# KiCad board HermEIS.kicad_pcb (continued)
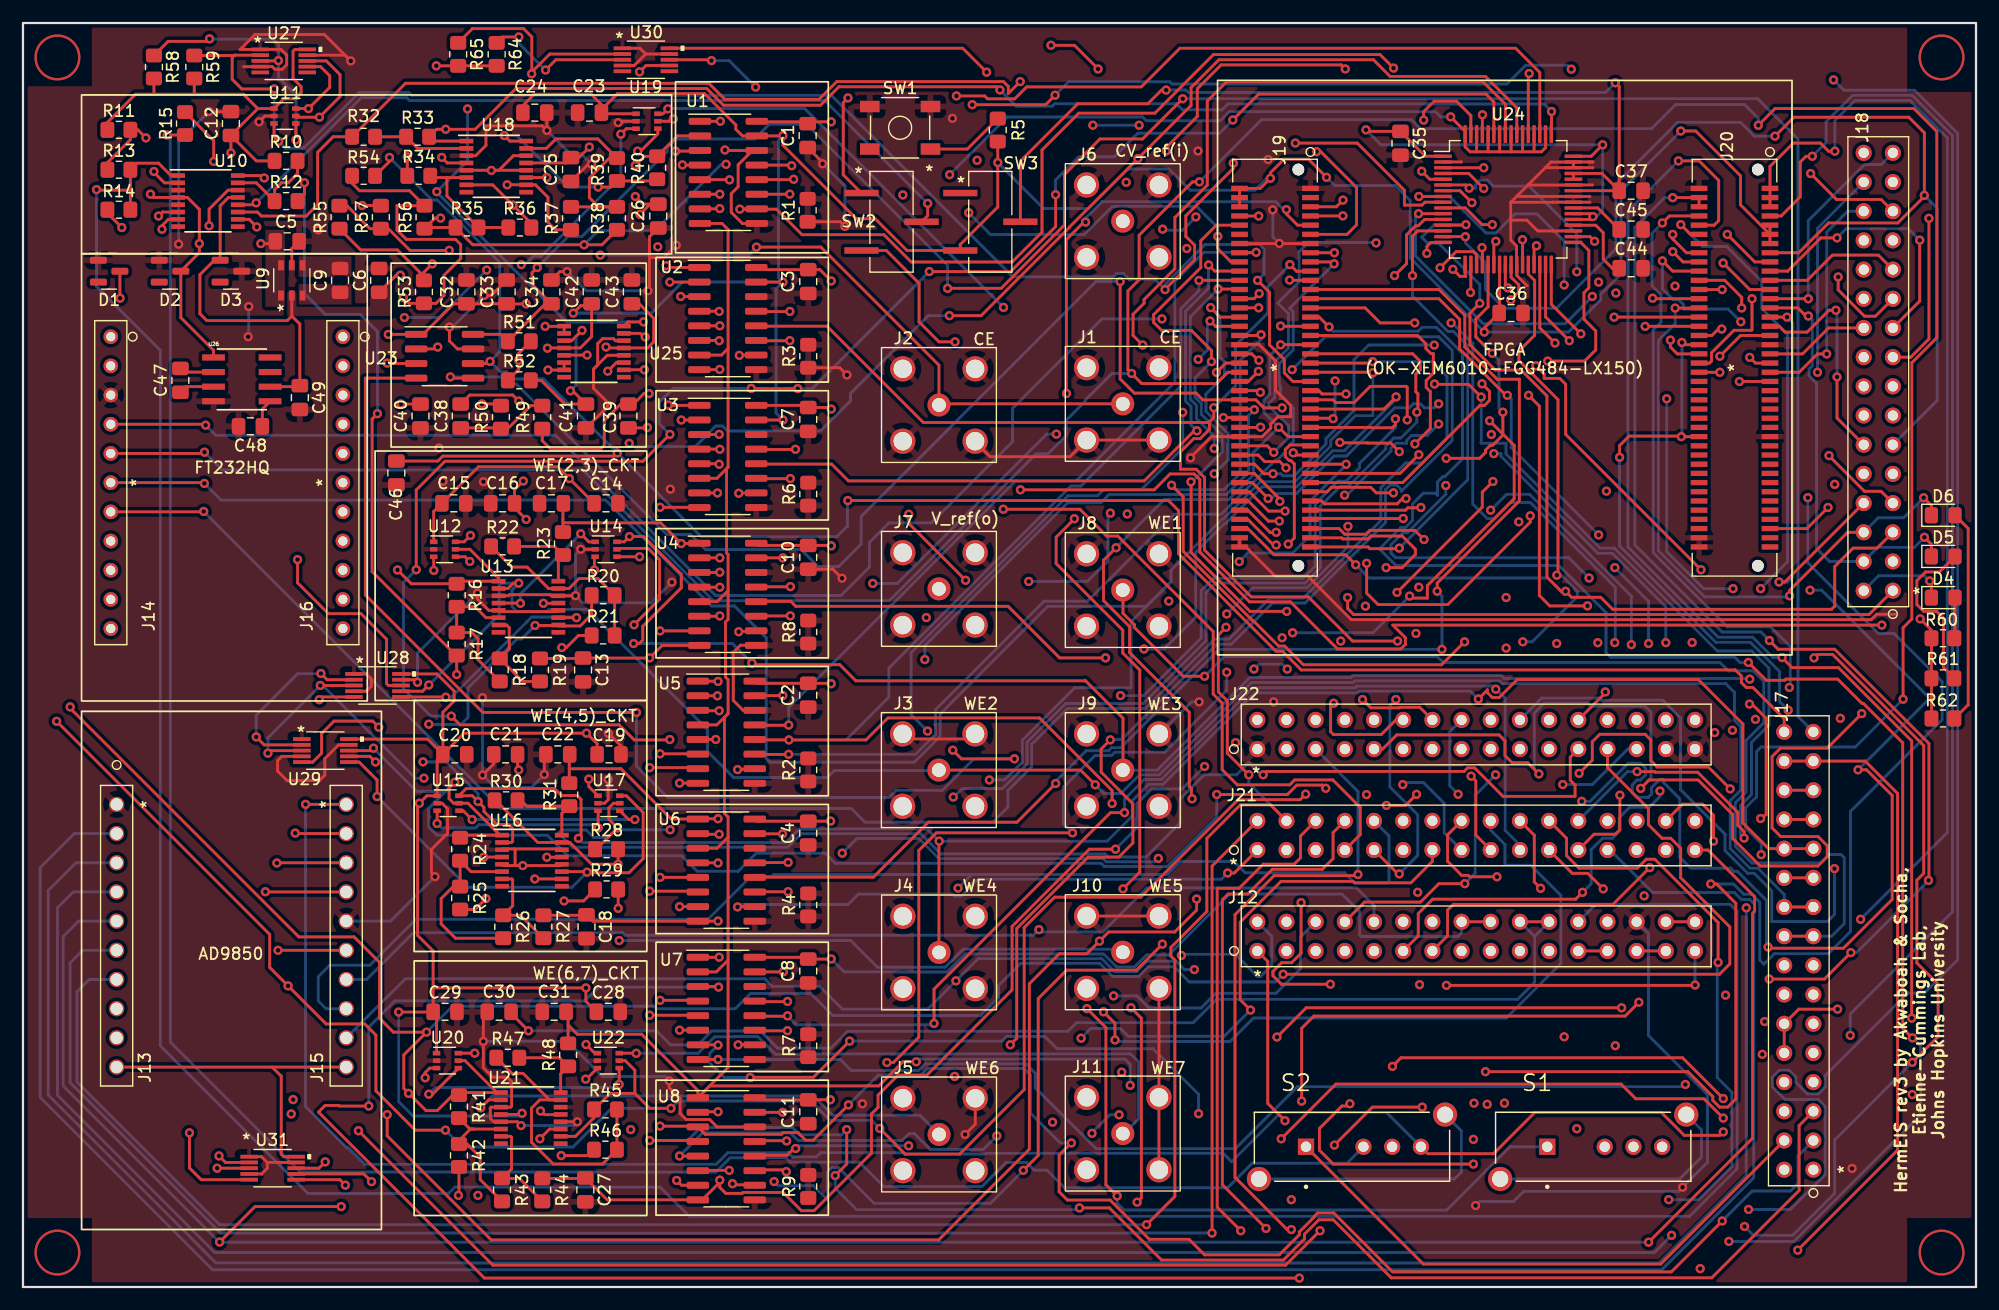
[diagram p0: board, top side]
## Nets
+3.3V: C5.1 C12.1 C14.1 C15.1 C19.1 C20.1 C23.1 C24.1 C28.1 C29.1 C36.1 C42.1 D2.3 J12.B15 J12.B16 J13.10 J15.10 J19.2 J19.4 J19.6 J20.9 J20.11 J20.13 R5.1 R10.1 R11.1 R58.2 R59.2 R60.2 R61.2 R62.2 R64.2 R65.2 SW3.3 U1.15 U2.15 U3.15 U4.15 U5.15 U6.15 U7.15 U8.15 U9.1 U9.6 U10.4 U11.1 U12.1 U13.4 U14.1 U15.1 U16.4 U17.1 U18.4 U19.1 U20.1 U21.4 U22.1 U24.23 U25.4 U26.1 U27.10 U28.10 U29.10 U30.10 U31.10
+5V: C1.1 C2.1 C3.1 C4.1 C7.1 C8.1 C10.1 C11.1 C32.1 C33.1 C35.1 D1.3 J12.A16 J12.B8 J12.B9 J20.1 J20.3 J20.5 U1.16 U2.16 U3.16 U4.16 U5.16 U6.16 U7.16 U8.16 U23.1 U24.1 U24.37 U24.38 U24.48
-0v5: J12.B12 R13.2 R14.1 U10.1
-3V: C6.1 C16.1 C21.1 C25.1 C30.1 C43.1 C49.1 D3.1 J12.B10 J12.B11 U9.2 U10.13 U13.13 U16.13 U18.13 U21.13 U25.13 U26.6
/+1.2V: J12.A14 J12.A15 J20.4 J20.6
/+1.8V: J12.A12 J12.A13 J20.7
/+VCCO0: J12.A11 J20.36 J20.56
/+VCCO1: J12.A10 J19.35 J19.55
/V20: J18.A12 J20.21 U24.3
GND: C1.2 C2.2 C3.2 C4.2 C5.2 C6.2 C7.2 C8.2 C10.2 C11.2 C12.2 C13.2 C14.2 C15.2 C16.2 C17.2 C18.2 C19.2 C20.2 C21.2 C22.2 C23.2 C24.2 C25.2 C26.2 C27.2 C28.2 C29.2 C30.2 C31.2 C32.2 C33.2 C34.2 C35.2 C36.2 C37.2 C40.2 C41.2 C42.2 C43.2 C44.2 C45.2 C46.2 C48.2 C49.2 D1.1 D2.1 D3.3 J1.2 J2.2 J3.2 J4.2 J5.2 J6.2 J7.2 J8.2 J9.2 J10.2 J11.2 J12.B14 J13.1 J14.3 J15.5 J19.1 J19.13 J19.14 J19.36 J19.56 J19.78 J19.80 J20.2 J20.14 J20.35 J20.55 J20.78 J20.80 J22.A1 J22.A15 J22.A16 R1.1 R1.2 R2.1 R2.2 R3.1 R3.2 R4.1 R4.2 R6.1 R6.2 R7.1 R7.2 R8.1 R8.2 R9.1 R9.2 SW1.3 SW1.4 U1.9 U1.14 U2.9 U2.14 U3.9 U3.14 U4.9 U4.14 U5.9 U5.14 U6.9 U6.14 U7.9 U7.14 U8.9 U8.14 U9.5 U10.3 U10.5 U10.14 U11.2 U12.2 U13.3 U13.5 U13.12 U13.14 U14.2 U15.2 U16.3 U16.5 U16.12 U16.14 U17.2 U18.3 U18.5 U18.12 U18.14 U19.2 U20.2 U21.3 U21.5 U21.12 U21.14 U22.2 U23.7 U24.2 U24.26 U24.35 U24.40 U24.41 U24.43 U24.46 U24.47 U25.12 U25.14 U26.4 U27.1 U27.4 U27.9 U28.1 U28.4 U28.9 U29.1 U29.4 U29.9 U30.1 U30.4 U30.9 U31.1 U31.4 U31.9
/A3: J20.49
/A4: J20.51
/A5: J18.A16 J20.25
/A6: J20.52
/A7: J20.58
/A8: J20.57
/A9: J20.62
/A10: J20.61
/A11: J20.79
/A12: J20.66
/A13: J20.65
/A14: J20.70
/A15: J20.69
/A16: J20.74
/A17: J20.73
/A18: J20.75 J22.A5
/A20: J18.A3 J19.76 U24.13
/A21: J18.A2 J19.75 U24.10
/A_NCS: J19.15 J21.A1 U1.10 U2.10 U3.10 U4.10 U5.10 U6.10 U7.10 U8.10
/A_SCK: J19.16 J21.A2 U1.13 U2.13 U3.13 U4.13 U5.13 U6.13 U7.13 U8.13
/A_SDI: J19.17 J21.A3 U1.11 U2.11 U3.11 U4.11 U5.11 U6.11 U7.11 U8.11
/A_SDO1: J19.18 J21.A4 U1.12
/A_SDO2: J19.19 J21.A5 U2.12
/A_SDO3: J19.20 J21.A6 U3.12
/A_SDO4: J19.21 J21.A7 U4.12
/A_SDO5: J19.22 J21.A8 U5.12
/A_SDO6: J19.23 J21.A9 U6.12
/A_SDO7: J19.24 J21.A10 U7.12
/A_SDO8: J19.25 J21.A11 U8.12
/B6: J20.50
/B8: J20.53
/B10: J20.59
/B12: J20.64
/B14: J20.68
/B16: J20.72
/B18: J20.76
/B21: J19.71 J22.B14 U24.31
/B22: J19.73 J22.B16 U24.33
/C5: J18.A14 J20.23 U24.5
/C6: J20.47
/C7: J20.54
/C8: J18.B9 J20.34
/C9: J20.60
/C10: J18.B13 J20.40
/C11: J20.77
/C12: J20.44
/C13: J20.63
/C14: J18.B4 J20.29
/C15: J20.67
/C16: J20.48
/C17: J20.71
/C20: J19.72 J22.B15 U24.32
/C22: J18.A1 J19.74 U24.9
/CE: J1.1 J2.1 J17.B7 J17.B8 U10.10
/chn1: C26.1 J17.A2 R40.2 U1.2 U2.1 U3.8 U4.7 U5.6 U6.5 U7.4 U8.3
/chn1_r: J22.A8 R37.1 U18.10 U19.5 U24.51 U30.8
/chn2: C13.1 J17.A3 R19.2 U1.3 U2.2 U3.1 U4.8 U5.7 U6.6 U7.5 U8.4
/chn2_r: J22.A9 R16.1 U12.5 U13.1 U24.53 U28.8
/chn3: C17.1 J17.A4 R23.2 U1.4 U2.3 U3.2 U4.1 U5.8 U6.7 U7.6 U8.5
/chn3_r: J22.A10 R20.1 U13.10 U14.5 U24.55 U28.5
/chn4: C18.1 J17.A5 R27.2 U1.5 U2.4 U3.3 U4.2 U5.1 U6.8 U7.7 U8.6
/chn4_r: J22.A11 R24.1 U15.5 U16.1 U24.57 U29.8
/chn5: C22.1 J17.A6 R31.2 U1.6 U2.5 U3.4 U4.3 U5.2 U6.1 U7.8 U8.7
/chn5_r: J22.A12 R28.1 U16.10 U17.5 U24.59 U29.5
/chn6: C27.1 J17.A7 R44.2 U1.7 U2.6 U3.5 U4.4 U5.3 U6.2 U7.1 U8.8
/chn6_r: J22.A13 R41.1 U20.5 U21.1 U24.61 U31.8
/chn7: C31.1 J17.A8 R48.2 U1.8 U2.7 U3.6 U4.5 U5.4 U6.3 U7.2 U8.1
/chn7_r: J22.A14 R45.1 U21.10 U22.5 U24.63 U31.5
/CV_DAC: C46.1 J17.B16 R54.1 U23.6
/CV_ref: S1.2 SW2.3
/CV_S1: J6.1 S1.1
/CV_S2: J17.B1 R57.2 S1.3 U25.16
/D6: J20.45
/D7: J18.B10 J20.37
/D8: J18.B12 J20.39
/D9: J18.B7 J20.32
/D10: J18.B11 J20.38
/D11: J18.B15 J20.42
/D14: D5.1 J18.B2 J20.27
/D15: J20.46
/D17: J18.B8 J20.33
/D20: J19.26 J21.A12
/D21: J19.67 J22.B10 U24.27
/D22: J19.69 J22.B12 U24.29
/D_0: J13.9 J19.34 J21.B4
/D_1: J13.8 J19.33 J21.B3
/D_2: J13.7 J19.32 J21.B2
/D_3: J13.6 J19.31 J21.B1
/D_4: J13.5 J19.30 J21.A16
/D_5: J13.4 J19.29 J21.A15
/D_6: J13.3 J19.28 J21.A14
/D_7: J13.2 J19.27 J21.A13
/DAC1_LDAC: J19.48 J21.B16 U23.5
/DAC1_NCS: J12.B1 J19.49 U23.2
/DAC1_SCK: J12.B2 J19.50 U23.3
/DAC1_SDI: J12.B3 J19.51 U23.4
/E16: J18.B6 J20.31
/E20: J19.68 J22.B11 U24.28
/E22: J19.70 J22.B13 U24.30
/EIS_S3: C38.2 J17.B2 S2.1 U25.6 U25.7
/F21: J19.63 J22.B6 U24.21
/F22: J19.65 J22.B8 U24.24
/F_EIS_DDS: C34.1 J17.A16 R51.1 U23.8
/F_RST_I: J12.B6 J19.54
/F_RST_O: J12.B7 J19.57
/F_VREF_1: J19.10 J22.A6
/FQ_UD: J15.8 J19.37 J21.B5
/FT_NCS: J14.7 J19.39 J21.B7
/FT_SCK: J14.4 J19.40 J21.B8
/FT_SDI: J14.6 J19.41 J21.B9
/FT_SDO: J14.5 J19.42 J21.B10
/G20: J19.64 J22.B7 U24.22
/G22: J19.66 J22.B9 U24.25
/H21: J19.59 J22.B2 U24.17
/H22: J19.61 J22.B4 U24.19
/J20: J18.A4 J19.77 U24.12
/J22: J18.A5 J19.79 U24.14
/JTAG_TCK: J12.A1 J19.5
/JTAG_TDI: J12.A4 J19.9
/JTAG_TDO: J12.A3 J19.8
/JTAG_TMS: J12.A2 J19.7
/K18: J18.B16 J20.43
/K20: J15.9 J19.38 J21.B6
/K21: J19.60 J22.B3 U24.18
/K22: J19.62 J22.B5 U24.20
/L17: J18.B14 J20.41
/L19: J19.58 J22.B1 U24.16
/L20: J12.B5 J15.7 J19.53
/M17: J18.A15 J20.24
/M18: D4.1 J18.B1 J20.26
/N16: J18.A13 J20.22 U24.4
/N22: J12.B4 J15.6 J19.52
/P17: J18.A11 J20.20 U24.8
/P18: D6.1 J18.B3 J20.28
/P21: J19.45 J21.B13 R65.1 U12.3 U14.3 U15.3 U17.3 U19.3 U20.3 U22.3 U28.2 U29.2 U30.2 U31.2
/P22: J19.47 J21.B15
/R19: J18.B5 J20.30
/R20: J19.46 J21.B14 R64.1 U12.4 U14.4 U15.4 U17.4 U19.4 U20.4 U22.4 U28.3 U29.3 U30.3 U31.3
/Ref_generator/B_in: SW2.1 U10.7 U11.5 U27.8
/Ref_generator/W_in: R14.2 R15.2 U10.6 U11.6 U27.7
/Rin_scl: J19.43 J21.B11 R59.1 U11.3 U27.2
/Rin_sda: J19.44 J21.B12 R58.1 U11.4 U27.3
/SIN_1: J15.2 J17.B4 S2.3
/SIN_2: J15.1 J17.B3 S2.4
/SQ_1: J15.4 J22.A2
/SQ_2: J15.3 J22.A3
/SYS_CLK4: J12.A6 J19.11
/SYS_CLK5: J12.A7 J20.8
/T19: J18.A7 J20.16 U24.11
/T20: J18.A9 J20.18 U24.6
/U19: J18.A10 J20.19 U24.7
/USB_SCL: J12.A8 J20.10
/USB_SDA: J12.A9 J20.12
/V_dds: R15.1 S2.2
/V_ref: J7.1 J17.B5 J17.B6 J22.A7 R32.1 U10.11
/Vref_o: J17.A1 R36.2 U1.1 U2.8 U3.7 U4.6 U5.5 U6.4 U7.3 U8.2 U18.7
/Vref_r: R33.2 R34.1 U18.1 U24.49
/W20: J18.A6 J20.15 U24.15
/W22: J18.A8 J20.17 U24.34
/WE1: J8.1 J17.A9 J17.B9 U18.11 U19.6 U30.7
/WE2: J3.1 J17.A10 J17.B10 U12.6 U13.2 U28.7
/WE3: J9.1 J17.A11 J17.B11 U13.11 U14.6 U28.6
/WE4: J4.1 J17.A12 J17.B12 U15.6 U16.2 U29.7
/WE5: J10.1 J17.A13 J17.B13 U16.11 U17.6 U29.6
/WE6: J5.1 J17.A14 J17.B14 U20.6 U21.2 U31.7
/WE7: J11.1 J17.A15 J17.B15 U21.11 U22.6 U31.6
nVDD_2: J12.B13 R12.2 R17.1 R21.1 R25.1 R29.1 R35.1 R38.1 R42.1 R46.1 R56.1 U10.16 U24.50 U24.52 U24.54 U24.56 U24.58 U24.60 U24.62 U24.64
V_rst: SW1.2
Net-(C9-Pad1): C9.1 U9.3
Net-(C9-Pad2): C9.2 U9.4
Net-(C37-Pad1): C37.1 SW3.2 U24.42 U24.44 U24.45
Net-(C38-Pad1): C38.1 R49.2 R50.1
Net-(C39-Pad1): C39.1 R51.2 R52.1
Net-(C39-Pad2): C39.2 R49.1 U25.1 U25.2
Net-(C40-Pad1): C40.1 R50.2 U25.5
Net-(C41-Pad1): C41.1 R52.2 U25.3
Net-(C44-Pad1): C44.1 U24.36
Net-(C45-Pad1): C45.1 U24.39
Net-(C47-Pad1): C47.1 U26.2
Net-(C47-Pad2): C47.2 U26.3
Net-(C48-Pad1): C48.1 U26.5
Net-(D4-Pad2): D4.2 R60.1
Net-(D5-Pad2): D5.2 R61.1
Net-(D6-Pad2): D6.2 R62.1
Net-(R5-Pad2): R5.2 SW1.1
Net-(R10-Pad2): R10.2 R12.1 U10.15
Net-(R11-Pad2): R11.2 R13.1 U10.2
Net-(R16-Pad2): R16.2 R17.2 R18.1 U13.6
Net-(R18-Pad2): R18.2 R19.1 U13.7
Net-(R20-Pad2): R20.2 R21.2 R22.1 U13.15
Net-(R22-Pad2): R22.2 R23.1 U13.16
Net-(R24-Pad2): R24.2 R25.2 R26.1 U16.6
Net-(R26-Pad2): R26.2 R27.1 U16.7
Net-(R28-Pad2): R28.2 R29.2 R30.1 U16.15
Net-(R30-Pad2): R30.2 R31.1 U16.16
Net-(R32-Pad2): R32.2 R33.1 U18.2
Net-(R34-Pad2): R34.2 R35.2 R36.1 U18.6
Net-(R37-Pad2): R37.2 R38.2 R39.1 U18.15
Net-(R39-Pad2): R39.2 R40.1 U18.16
Net-(R41-Pad2): R41.2 R42.2 R43.1 U21.6
Net-(R43-Pad2): R43.2 R44.1 U21.7
Net-(R45-Pad2): R45.2 R46.2 R47.1 U21.15
Net-(R47-Pad2): R47.2 R48.1 U21.16
Net-(R53-Pad1): R53.1 R54.2 R56.2 U25.11
Net-(R53-Pad2): R53.2 R55.1 U25.10
Net-(R55-Pad2): R55.2 R57.1 U25.15
Net-(S1-PadS1): S1.S1 S1.S2
Net-(S2-PadS1): S2.S1 S2.S2
Net-(SW2-Pad2): SW2.2 U10.12

Pads without a net: D1 2; D2 2; D3 2; J12 A5; J14 1 2 8 9 10 11; J16 1 2 3 4 5 6 7 8 9 10 11; J19 3 12 81 82; J20 81 82; J22 A4; S1 4; SW3 1; U10 8 9; U13 8 9; U16 8 9; U18 8 9; U21 8 9; U25 8 9; U26 7 8; U27 5 6; U30 5 6

## Via types
v1: diameter 4, hole 3.6, Top to Bottom, 4 vias
v2: diameter 0.8, hole 0.4, Top to Bottom, 848 vias

## Routing (per net, layer and track width the routed paths; a pad name or vN(x,y) marks a point on that pad's centre or on a via; arc(x,y) is an arc through that point)
+3.3V: length 828.9
  Top w0.25: U4.15 66.15,63.46 v2(66.15,63.45) ; U18.4 36.93,97.82 v2(36.45,98.3) ; v2(127.2,83.1) 127.2,83.46 C36.1 128.53,84.79 128.53,88.98 ; C23.1 50.45,102.1 U19.1 ; C23.1 50.35,101.95 ; C23.1 50.35,102.9 49.45,103.8 44.5,103.8 43.51,102.81 C24.1 ; C23.1 50.35,102.45 51.75,103.85 59.33,103.85 62.05,101.13 62.05,100.75 62.62,100.18 U1.15 66.12,100.18 v2(66.15,100.2) 66.15,99.36 72.55,92.96 74.19,92.96 76.95,90.2 SW3.3 81.58,90.72 84.85,93.99 v2(84.85,97.85) R5.1 ; J20.9 J20.11 ; J20.11 J20.13 ; J20.11 149.5,94.17 149.5,96.7 145.6,100.6 v2(144.3,100.6) ; U29.10 35.22,47.68 C20.1 ; U14.1 49.25,64.85 v2(48.55,65.55) ; v2(45.65,81.7) 45.67,81.72 U25.4 48.51,81.72 49.5,82.71 C42.1 ; 14.97,103.8 11.37,103.8 ; 14.97,103.8 19.19,103.8 20.44,102.55 ; 14.97,103.8 14.91,103.86 R59.2 ; U17.1 49.25,43.55 v2(49.25,44.2) ; U20.1 36,23.65 C29.1 ; 11.37,103.8 11.4,103.83 R58.2 ; 11.37,103.8 9.8,103.8 7.35,101.35 R11.1 ; v2(32.7,23.93) 35.68,23.93 C29.1 ; C12.1 20.44,102.55 ; C12.1 20.31,98 R10.1 ; C12.1 v2(18.1,98.7) ; 20.44,102.55 U11.1 22.7,103.4 23.67,103.4 24.21,103.94 24.21,104.46 23.51,105.16 23.51,107.54 23.67,107.7 U27.10 ; C5.1 21.76,90.8 v2(20.7,90.8) ; C42.1 49.34,85.4 48.55,85.4 v2(47.9,84.75) ; C42.1 49.5,85.76 ; v2(35.98,106.27) R65.2 R64.2 ; U31.10 22.7,11.34 22.48,11.56 22.48,18.35 21.69,19.14 ; v2(49.01,21.11) 49.77,20.35 U22.1 ; U2.15 63.83,87.45 v2(66.15,87.45) ; R62.2 R61.2 R60.2 166.12,57.17 v2(165.14,58.15) ; U3.15 63.83,75.45 v2(66.15,75.45) ; C28.1 49,24.86 v2(49,26.03) 35.75,26.03 35.7,26.08 ; 21.69,19.14 J15.10 ; 21.69,19.14 J13.10 ; C20.1 38.4,48.2 v2(49.05,48.2) 49.98,47.28 C19.1 ; C20.1 36.55,50.02 37.53,51 37.53,51.86 36.04,53.35 U28.10 ; C20.1 36.05,45.85 U15.1 35.15,42.75 v2(34.5,42.1) 34.35,41.95 34.35,30.6 35.7,29.25 35.7,26.08 ; C14.1 v2(47.56,70.35) 46.53,71.38 39.64,71.38 C15.1 35.75,67.49 U12.1 ; C29.1 35.7,26.08 ; J12.B15 J12.B16 ; v2(43.44,15.12) 43.34,15.02 U21.4 ; v2(66.14,51.47) 63.71,51.47 U5.15 ; U26.1 16.59,81.51 13.74,84.36 D2.3 15.35,90.01 15.35,93.78 14.32,94.82 U10.4 11.38,94.82 v2(11.1,95.1) ; v2(66.19,27.44) 66.17,27.43 U7.15 ; v2(66.13,15.2) 63.7,15.2 U8.15 ; U6.15 63.71,39.44 v2(66.12,39.44) ; J19.6 J19.4 J19.2 107.7,95.61 v2(108.58,96.48) 108.58,96.97 109.76,98.15 111.89,98.15 v2(113.47,96.57) ; v2(83.88,105.72) 81.8,107.8 U30.10 ; v2(43.3,59.5) 43.28,59.52 U13.4 ; U16.4 40.12,37.42 v2(40.1,37.4)
  In1.Cu w0.25: v2(49,26.03) 49.01,26.02 v2(49.01,21.11) ; v2(15.35,90.8) v2(20.7,90.8) ; v2(48.55,65.55) 48.55,69.36 v2(47.56,70.35) 41.9,76.01 41.9,81.01 42.59,81.7 v2(45.65,81.7) 45.35,81.7 44.5,82.55 44.5,84.6 45.3,85.4 47.25,85.4 v2(47.9,84.75) ; v2(11.1,95.1) 12.3,96.3 12.3,97.9 13.1,98.7 v2(18.1,98.7) ; v2(84.85,97.85) 86.02,99.02 86.02,102.17 83.88,104.31 v2(83.88,105.72) ; v2(34.5,42.1) 43.3,50.9 v2(43.3,59.5)
  In2.Cu w0.25: v2(66.15,75.45) 66.07,75.37 66.07,63.53 v2(66.15,63.45) 65.51,62.81 65.51,52.1 v2(66.14,51.47) 65.92,51.25 65.92,39.64 v2(66.12,39.44) 66.12,39.4 65.84,39.12 65.84,27.79 v2(66.19,27.44) 65.62,26.87 65.62,15.71 v2(66.13,15.2) ; v2(18.1,98.7) 19.22,97.58 35.72,97.58 v2(36.45,98.3) 37.55,99.4 37.55,104.7 v2(35.98,106.27) ; v2(49.05,48.2) 49.25,48 v2(49.25,44.2) 46.9,44.2 v2(40.1,37.4) 37.78,37.4 34.5,40.68 v2(34.5,42.1) ; v2(32.7,23.93) 32.7,23.7 J15.10 ; v2(144.3,100.6) 145.52,101.83 163.42,101.83 166.65,98.6 166.65,59.66 v2(165.14,58.15) 163.59,58.15 163.55,58.11 163.37,58.29 161.46,58.29 161.07,57.9 161.07,57.3 162.05,56.32 162.05,36.15 160.15,34.25 150.22,34.25 147.76,31.79 J12.B16
  Bottom w0.25: v2(66.15,75.45) 65.55,76.05 65.55,86.85 v2(66.15,87.45) ; v2(32.7,23.93) 32.7,16.13 33.95,14.88 43.2,14.88 v2(43.44,15.12) ; v2(66.15,87.45) 57.4,87.45 54.7,84.75 v2(47.9,84.75) ; v2(66.15,87.45) 65.76,87.84 65.76,99.81 v2(66.15,100.2) ; v2(108.58,96.48) 108.25,96.48 107.22,95.45 101.61,95.45 99.77,97.29 96.17,97.29 96.17,97.28 92.74,93.85 88.85,93.85 v2(84.85,97.85) ; v2(144.3,100.6) 139.1,95.4 139.1,88.15 137.32,86.38 137.32,85.9 134.53,83.1 v2(127.2,83.1) 120.75,89.55 120.75,94.55 119.45,95.85 114.18,95.85 v2(113.47,96.57) ; v2(48.55,65.55) 43.3,60.3 v2(43.3,59.5)
+5V: length 573.7
  Top w0.25: J12.B9 J12.B8 ; v2(70.3,40.55) 70.29,40.54 C4.1 63.88,40.54 U6.16 ; v2(145.55,26.28) 145.52,26.25 v2(123.9,26.25) ; 134.95,92.91 136.41,92.91 v2(136.65,93.15) 136.39,93.41 134.95,93.41 ; U24.1 122.06,98.41 C35.1 117.03,100.57 v2(116.9,100.7) ; D1.3 8.44,86.06 v2(8.45,86.05) ; v2(70.35,52.5) 70.31,52.54 C2.1 63.88,52.54 U5.16 ; v2(43.8,85.55) 42.11,85.55 C33.1 C32.1 37.49,85.56 34.83,82.91 U23.1 34.22,82.9 v2(31.8,82.9) ; v2(70.35,64.5) 70.31,64.54 C10.1 64.01,64.54 U4.16 ; 68.19,28.7 U7.16 ; U2.16 64.01,88.54 C3.1 69.36,88.54 v2(70.35,87.55) ; v2(157.71,98.84) 157.16,98.84 156.45,99.55 154.1,99.55 152.07,97.52 J20.1 J20.3 J20.5 ; v2(89.84,103.72) 89.01,102.89 v2(82.63,102.89) ; v2(70.35,76.4) 70.21,76.54 C7.1 ; 134.95,98.41 136.5,98.41 v2(137.5,99.4) ; C8.1 70.34,28.54 v2(70.35,28.55) ; v2(70.27,16.3) 68.36,16.3 C11.1 63.88,16.29 U8.16 ; v2(70.35,101.4) 68.46,101.4 C1.1 68.14,101.4 63.92,101.4 U1.16 ; 68.16,76.73 U3.16
  In1.Cu w0.25: J12.B8 123.9,30.47 v2(123.9,26.25) ; v2(116.9,100.7) 117.95,99.65 128.44,99.65 v2(134.77,105.98) ; v2(137.5,99.4) 137.54,99.36 157.19,99.36 v2(157.71,98.84) ; v2(70.35,101.4) 71.35,100.4 74.85,100.4 77.34,102.89 v2(82.63,102.89) ; v2(31.8,82.9) 28.65,86.05 v2(8.45,86.05)
  In2.Cu w0.25: J12.A16 148.17,29.25 150.47,31.55 152,31.55 152.45,32 v2(159.95,32) ; v2(70.27,16.3) 70.35,16.38 v2(70.35,52.5) v2(70.35,64.5) v2(70.35,76.4) v2(70.35,87.55) v2(70.35,101.4) 69.58,102.18 59.08,102.18 50.98,94.08 50.98,89.5 47.03,85.55 v2(43.8,85.55)
  Bottom w0.25: v2(116.9,100.7) 118.2,99.4 v2(137.5,99.4) 137.5,93.7 136.95,93.15 v2(136.65,93.15) ; v2(157.71,98.84) 157.71,101.51 159.45,103.25 164.26,103.25 167.5,100.01 167.5,39.55 v2(159.95,32) ; J12.A16 145.54,26.29 v2(145.55,26.28) ; v2(134.77,105.98) 134.42,106.33 130.8,106.33 129.17,104.7 100,104.7 99.81,104.89 91.01,104.89 v2(89.84,103.72) ; v2(70.35,28.55) 71.48,27.42 80.44,27.42 82.01,28.99 94.06,28.99 95.2,27.85 96.76,27.85 97.81,28.91 99.74,28.91 105.04,34.2 114.8,34.2 116.35,32.65 116.35,30.65 116.5,30.5 124.9,30.5 125.22,30.82 J12.B8
-0v5: length 270.8
  Top w0.25: 9.35,95.45 R13.2 9.93,97.8 11.8,97.8 12.88,96.72 U10.1 ; 9.35,95.45 R14.1 ; 9.35,95.45 6.45,95.45 v2(6.4,95.5)
  Bottom w0.25: J12.B12 136.89,33.3 148.6,33.3 149.2,32.7 149.2,10.3 145.05,6.15 58,6.15 55.45,8.7 37.6,8.7 37.04,8.14 24.81,8.14 11.95,21 11.95,81.52 6.4,87.07 v2(6.4,95.5)
-3V: length 279.5
  Top w0.25: J12.B10 J12.B11 ; 23.4,84.5 23,84.1 16,84.1 15.4,84.7 15.4,88.1 16.65,89.35 D3.1 17.16,94.1 17.89,94.82 U10.13 ; 23.4,84.5 U9.2 ; 23.4,84.5 24.1,83.8 C49.1 24.01,78.35 U26.6 ; v2(43.15,45) 43.05,45.1 C21.1 ; C6.1 32.49,88.05 v2(32.85,88.05) ; v2(50.75,81.8) 50.83,81.72 U25.13 54.37,81.72 54.9,82.25 54.9,84.3 53.64,85.56 C43.1 ; v2(45.3,59.5) 46.58,59.5 ; 42.75,67.85 v2(43.8,66.8) ; v2(49.3,99.2) 48.39,98.29 C25.1 47.23,97.82 U18.13 ; C30.1 42.49,23.81 v2(44,22.3) ; 46.78,15 45.36,15 v2(45.04,15.32) ; C16.1 42.79,69.38 v2(43.55,70.14) ; v2(45.6,37.4) 46.88,37.4 U16.13
  In1.Cu w0.25: v2(45.04,15.32) 45.5,15.78 45.5,20.9 44.1,22.3 ; v2(50.75,81.8) 50.75,84.25 48.6,86.4 46.6,86.4 45.75,87.25 33.65,87.25 v2(32.85,88.05) 44,99.2 v2(49.3,99.2) ; v2(44,22.3) 45.6,23.9 v2(45.6,37.4) 45.6,42.55 v2(43.15,45) 43.4,45 45.3,46.9 v2(45.3,59.5) 45.3,65.4 43.9,66.8
  In2.Cu w0.25: v2(43.55,70.14) 45.84,70.14 53,77.3 53,80.7 51.9,81.8 v2(50.75,81.8)
  Bottom w0.25: 131.58,30.51 131.58,26.52 130.09,25.03 103.89,25.03 101.85,23 99.81,23 99.8,23 91.7,23 90.95,22.26 71.78,22.26 70.3,20.78 65.7,20.78 64.21,22.27 59.94,22.27 58.74,21.07 56.37,21.07 55.14,22.3 v2(44,22.3) ; 131.58,30.51 131.58,30.53 J12.B11 ; 131.58,30.51 J12.B10
/+1.2V: length 115.3
  Top w0.25: v2(165.86,35.39) 165.9,35.43 165.9,47.3 157.7,55.5 152.78,55.5 v2(152.01,56.26) ; J20.6 J20.4 143.61,94.81 v2(143.6,94.8) ; v2(159.1,29.1) 156.8,26.8 v2(152,26.8) ; J12.A14 J12.A15
  In2.Cu w0.25: v2(152,26.8) 151.6,26.8 147.8,23 145.1,23 143,25.1 J12.A15
  Bottom w0.25: v2(159.1,29.1) 159.6,29.1 165.86,35.36 v2(165.86,35.39) ; v2(143.6,94.8) 142.9,94.8 140.3,92.2 140.3,64.59 147.89,57 151.28,57 v2(152.01,56.26)
/+1.8V: length 141.8
  Top w0.25: J12.A12 J12.A13 ; J20.7 153.04,93.21 154.7,94.87 154.7,97.9 155.2,98.4 v2(155.75,98.4)
  In1.Cu w0.25: v2(151.4,20.25) 153.04,21.89 159.04,21.89 v2(159.05,21.9) ; J12.A13 137.92,21.68 v2(138.6,21)
  In2.Cu w0.25: v2(151.4,20.25) 148.7,20.25 145.28,16.84 142.81,16.84 138.65,21 v2(138.6,21)
  Bottom w0.25: v2(155.75,98.4) 156.95,99.6 156.95,101.4 159.25,103.7 164.45,103.7 167.95,100.2 167.95,32.65 159.05,23.75 v2(159.05,21.9)
/+VCCO0: length 112.5
  Top w0.25: J20.36 144.59,82.01 v2(144.4,82.2) ; J20.56 145.89,74 v2(144.35,74) 144.3,74.05 139.8,74.05 138.98,73.23 v2(138.98,72.2)
  In1.Cu w0.25: v2(134.15,21.78) 134.15,27.94 J12.A11 ; v2(151.6,23.1) 151.15,23.55 151.15,27.78 150.02,28.91 150.02,31.36 151.17,32.51 151.17,33.98 147.88,37.28 147.88,43.73 150.95,46.8 155.9,46.8 156.87,47.77 156.87,48.73 155.4,50.2 v2(153.65,50.2)
  In2.Cu w0.25: v2(134.15,21.78) 134.42,22.05 149.29,22.05 150.34,23.1 v2(151.6,23.1)
  Bottom w0.25: v2(138.98,72.2) 138.98,64.49 147.36,56.1 150.36,56.1 152.9,53.56 152.9,50.95 v2(153.65,50.2) ; v2(144.4,82.2) 144.4,74.05 v2(144.35,74)
/+VCCO1: length 107.5
  Top w0.25: v2(109.3,74.82) 110.12,74 J19.55 ; v2(109.47,82) 109.48,82.01 J19.35 ; v2(95.15,64.34) 94.05,63.24 94.05,59.74 96.33,57.46 96.33,55.21 101.52,50.02 101.52,43.56 101.7,43.37 101.7,42.55 v2(101.76,42.49) ; v2(111.25,33.45) 111.25,29.05 110.42,28.22 109.56,28.22 108.8,27.47 108.8,27.08 109.53,26.35 v2(113.8,26.35)
  In1.Cu w0.25: J12.A10 126.07,25.02 115.13,25.02 v2(113.8,26.35)
  In2.Cu w0.25: v2(111.25,33.45) 108.8,35.9 108.8,41.05 107.72,42.14 102.07,42.14 101.7,42.5 101.75,42.5 v2(101.76,42.49)
  Bottom w0.25: v2(95.15,64.34) 99.34,68.53 104.95,68.53 107.1,70.67 107.1,72.03 107.08,72.05 107.08,72.6 v2(109.3,74.82) 108.03,76.09 108.03,77.2 108.54,77.71 108.54,81.07 v2(109.47,82)
/V20: length 81.9
  Top w0.25: J20.21 155.31,87.61 157.5,89.8 161.5,89.8 J18.A12 ; v2(127.15,97.4) 123.61,97.4 U24.3
  In1.Cu w0.25: J18.A12 166.04,88.54 168.2,90.7 168.2,97.51 158.96,106.75 138.89,106.75 136.94,104.8 135.16,104.8 134.83,104.47 134.83,103.42 135.18,103.07 130.71,98.6 125.7,98.6 125.65,98.55 126.8,97.4 v2(127.15,97.4)
GND: length 1075.7
  Top w0.25: 136.4,94.9 134.96,94.9 134.95,94.91 133.16,94.91 ; 133,97.41 132.58,97.41 132.54,97.45 ; 133,97.41 133,97.4 ; 133,97.41 134.95,97.41 ; J1.2 J1.2 91.13,72.26 84.18,72.26 82.88,73.56 J2.2 ; U23.7 37.81,81.64 37.12,82.33 v2(37.12,83.54) ; v2(48.25,14.38) 46.8,14.38 U21.12 ; C5.2 23.4,90.36 U9.5 ; U18.14 42.69,98.45 41.42,97.18 ; 42.84,36.68 42.84,38.07 42.78,38.13 ; 42.84,36.68 41.81,36.68 U16.5 ; 42.84,36.68 v2(43.51,36.68) 46.79,36.68 U16.12 ; 21.26,10.84 21.26,10.34 20.76,9.84 U31.4 ; 21.26,10.84 U31.9 ; 21.26,10.84 20.76,11.34 U31.1 ; C22.2 45.38,46.21 v2(45.38,44.6) ; 54.2,107.3 U30.9 ; 54.2,107.3 53.2,106.3 U30.4 ; 54.2,107.3 53.7,107.8 U30.1 ; v2(16.2,102.3) 16.21,102.29 C12.2 ; 131.02,95.93 132.54,97.45 ; 131.02,95.93 131.05,95.9 134.95,95.9 134.95,95.91 136.59,95.91 136.6,95.9 ; 131.02,95.93 130.02,94.92 ; 132.54,97.45 133,97.9 134.95,97.9 134.95,97.91 ; 41.42,97.18 U18.5 ; 41.42,97.18 U18.12 ; v2(82,13.28) 82.89,14.17 J5.2 ; U25.12 50.86,81.08 49.66,79.88 ; 129.5,94.4 130.02,94.92 ; 129.5,94.4 129.5,92.84 ; 129.5,94.4 133.15,94.4 133.16,94.41 136.39,94.41 136.4,94.4 ; 130.02,94.92 130.03,94.91 133.16,94.91 ; v2(71.72,79.37) 71.09,80 R3.1 ; 42.78,38.13 41.77,38.13 U16.3 ; 42.78,38.13 46.83,38.13 U16.14 ; 134.95,97.91 134.95,97.41 ; 134.95,97.91 136.64,97.91 136.65,97.9 136.25,97.9 ; 134.95,97.41 136.64,97.41 136.65,97.4 ; J11.2 J11.2 J10.2 ; C34.2 46.73,88.36 v2(47.36,88.36) ; 129.5,92.84 129.5,91.1 130,90.6 130,89 130.02,88.98 130.03,88.98 130.03,88.02 130.9,87.15 130.95,87.15 ; 129.5,92.84 130.91,92.84 131.85,91.9 133.15,91.9 133.16,91.91 134.95,91.91 ; U18.3 39.4,98.45 40.3,99.35 40.3,101.05 45.2,101.05 v2(45.6,100.65) 45.6,102.19 C24.2 ; v2(56.25,17.95) 56.25,17.35 57.2,16.4 57.2,15.1 57.72,14.58 59.77,14.58 60.41,13.94 U8.14 ; J19.14 109.35,90.81 v2(109.36,90.82) 109.37,90.81 J19.13 ; U17.2 50.62,42.1 50.94,42.42 v2(50.94,44.17) ; U4.9 63.81,55.85 62.45,55.85 61.83,55.23 61.83,51.05 62.69,50.19 U5.14 ; 133.16,94.91 133.15,94.9 ; v2(54.4,86.7) 54.53,86.83 54.53,89.67 ; J3.2 77.01,47.7 82.43,47.7 J3.2 ; C33.2 40.75,86.29 v2(40.13,86.29) ; U25.14 51.58,82.35 51.41,82.53 50.45,82.53 50.03,82.1 50.03,80.25 49.66,79.88 ; v2(69.6,97.75) 69.6,97.86 C1.2 ; C19.2 52.05,47.09 v2(50.96,48.18) ; 19.2,106.2 U27.4 21.69,106.2 21.92,105.98 22.56,105.98 22.96,106.38 22.96,107.2 22.46,107.7 U27.1 18.9,107.7 20.2,109 26.23,109 v2(28.53,106.7) 28.03,107.2 U27.9 ; J19.36 105.91,82.03 107.6,82.03 107.6,82.02 109.04,80.58 109.04,78.03 110.35,76.72 110.35,75.75 109.25,75.75 108.61,75.11 108.61,74.75 107.87,74 J19.56 103.44,74 101.63,72.2 v2(101.63,72.16) ; U28.1 29.89,53.35 30.31,52.92 30.31,52.27 29.89,51.85 U28.4 ; v2(49.49,97.71) 49.2,97.71 C25.2 ; C30.2 40.07,23.61 v2(40.07,21.38) 40.07,19.08 40.89,18.26 42.16,18.26 42.53,17.89 42.53,15.73 42.45,15.65 U21.3 40.75,15.65 40.67,15.58 40.67,14.68 40.97,14.38 U21.5 43.02,14.38 v2(43.35,14.05) ; v2(48.09,60.16) 48.08,60.15 U13.14 45.97,60.15 45.88,60.25 42.35,60.25 42.25,60.15 U13.3 ; U29.9 27.47,47.18 26.27,45.98 26.27,44.55 25.8,44.08 22.98,44.08 22.16,44.9 22.16,45.82 22.53,46.18 U29.4 ; J19.80 106.45,64.4 108.99,61.86 111.84,61.86 115.63,58.08 160.87,58.08 161.35,58.55 162.96,58.55 ; U13.12 46.49,58.78 41.51,58.78 U13.5 40.55,58.88 39.56,59.87 v2(39.56,60.38) ; 125.2,97.9 125.2,97.91 U24.2 ; v2(34.34,52.62) 34.12,52.85 U28.9 ; v2(20.55,101.4) 21.05,101.9 U11.2 ; 54.53,89.67 54.62,89.58 55.78,89.58 v2(56.86,90.66) ; 54.53,89.67 54.53,91.39 C26.2 ; U15.2 36.48,42.1 36.96,41.62 36.96,39.49 35.55,38.08 35.55,36.02 v2(35.86,35.71) ; v2(71.29,61.68) 70.51,62.46 C10.2 ; v2(40,44.55) 40.98,45.53 C21.2 ; U1.9 62.62,92.56 61.65,93.52 61.65,95.15 62.25,95.75 62.25,97.66 63.5,98.91 U1.14 61.15,98.91 v2(61.1,98.95) ; U10.14 17.85,95.45 16.2,93.8 v2(16.2,92.35) ; U19.2 52.25,101.45 52.13,101.33 v2(51.81,101.33) ; v2(71.55,92.3) 71.15,92.7 R1.1 ; C41.2 49.03,74.76 50.9,76.63 50.9,76.97 49.66,78.21 49.66,79.88 ; J10.2 J10.2 ; U14.2 v2(48.55,64.2) ; J19.78 105.89,64.56
  In1.Cu w0.2: v2(102.28,98.87) 102.29,98.86 107.64,98.86 v2(108.38,98.12)
  In1.Cu w0.25: 98.98,89.61 97.69,88.32 97.69,84.21 98.88,83.02 J1.2 J1.2 100.08,73.71 v2(101.63,72.16) ; J8.2 92.48,57.61 J7.2 82.87,57.6 J3.2 ; J7.2 72.89,67.6 72.89,78.2 v2(71.72,79.37) ; v2(69.6,97.75) 76.95,97.75 v2(80.9,101.7) ; v2(61.1,98.95) 61.85,99.7 61.85,102.35 58.62,102.35 56.87,100.6 53.43,100.6 50.54,97.71 v2(49.49,97.71) 50.03,98.25 50.03,99.55 v2(51.81,101.33) 51.13,100.65 v2(45.6,100.65) 44.25,100.65 v2(40.77,97.17) ; v2(40.08,70.08) 39.15,70.08 v2(36.21,73.02) 39.64,73.02 48.46,64.2 v2(48.55,64.2) ; v2(50.94,44.17) 50.96,44.19 v2(50.96,48.18) ; J3.2 82.87,32.29 J4.2 J4.2 ; J10.2 J10.2 ; 98.93,41.84 98.93,48.14 ; v2(39.99,51.29) 39.6,51.68 39.6,60.34 v2(39.56,60.38) ; J4.2 88.69,25.97 91.44,23.22 97.3,23.22 98.88,24.8 J10.2 ; J4.2 81.79,24.87 77.69,24.87 J4.2 ; J8.2 92.94,63.45 98.52,63.45 J8.2 ; v2(71.29,61.68) 71.29,60.3 73.98,57.61 J7.2 ; v2(25.7,92) 24.72,92.98 16.82,92.98 v2(16.2,92.35) 14.9,92.35 13.55,91 v2(13.55,90.75) ; 92.63,41.84 92.63,48.14 ; v2(20.55,101.4) 17.1,101.4 v2(16.2,102.3) ; v2(102.38,50.92) v2(108.86,50.92)
  In2.Cu w0.2: J6.2 98.12,90.37 98.12,95.15 J6.2 101.84,98.87 v2(102.28,98.87) ; v2(108.38,98.12) 107.13,96.87 107.13,95.39 v2(108.78,93.74)
  In2.Cu w0.25: v2(19.65,85.33) 16.2,88.78 v2(16.2,92.35) ; J11.2 92.5,16.43 J5.2 82.89,19.42 ; 82.89,19.42 82.89,21.22 78.15,25.97 J4.2 ; 82.89,19.42 82.88,19.4 79.56,19.4 J5.2 73.55,16.43 v2(73.07,15.95) ; v2(50.94,44.17) 50.94,44.11 v2(43.51,36.68) 36.83,36.68 v2(35.86,35.71) ; J4.2 76.57,32.29 J3.2 ; v2(144.46,8.68) 144.48,8.66 157.55,8.66 v2(159.21,10.32) ; v2(71.72,79.37) 72.26,79.91 J2.2 ; v2(20.55,101.4) 22.7,103.55 25.38,103.55 v2(28.53,106.7) ; v2(82,13.28) 82.89,12.39 J5.2 J5.2 ; v2(126.44,7.09) 113.52,7.09 110.64,4.22 105.72,4.22 104.39,5.55 103.54,5.55 J11.2 ; v2(71.55,92.3) 88.98,92.3 J6.2 ; v2(56.48,61.34) 56.48,69.3 v2(56.35,69.43) ; 92.65,95.78 92.65,93.72 93.55,92.82 93.55,90.5 92.68,89.63 92.68,89.61 86.54,89.61 82.88,85.95 J2.2 ; J1.2 J8.2 J8.2 98.88,54.42 v2(102.38,50.92) ; v2(36.56,70.12) 36.6,70.08 v2(40.08,70.08) ; v2(56.86,90.66) 56.75,90.77 56.75,94.6 v2(61.1,98.95) 61.11,98.96 68.39,98.96 v2(69.6,97.75)
  Bottom w0.25: v2(43.35,14.05) 47.92,14.05 v2(48.25,14.38) ; v2(45.6,100.65) 47.62,98.63 48.58,98.63 v2(49.49,97.71) ; v2(45.38,44.6) 44.25,43.48 41.08,43.48 v2(40,44.55) 40,51.28 v2(39.99,51.29) ; J15.5 31.99,31.84 v2(35.86,35.71) ; v2(40.07,21.38) 47.38,21.38 50.44,18.32 55.89,18.32 v2(56.25,17.95) ; v2(71.55,92.3) 71.55,95.8 v2(69.6,97.75) ; v2(19.65,85.33) 19.65,82.75 v2(19.6,82.7) ; v2(56.48,61.34) 54.68,59.54 48.71,59.54 v2(48.09,60.16) 48.1,60.17 48.1,63.75 v2(48.55,64.2) ; v2(13.55,90.75) 13.55,99.65 v2(16.2,102.3) ; v2(108.78,93.74) 108.8,93.72 108.8,91.38 v2(109.36,90.82) ; v2(40.13,86.29) 37.38,83.54 v2(37.12,83.54) ; v2(126.44,7.09) 126.79,7.44 129.73,7.44 130.61,8.33 144.1,8.33 v2(144.46,8.68) 146.62,10.84 146.62,16.76 141.48,21.89 141.48,30.76 J12.B14 ; v2(102.38,50.92) 101.72,50.92 98.93,48.14 ; v2(54.4,86.7) 49.03,86.7 v2(47.36,88.36) ; v2(39.56,60.38) 34.34,55.16 v2(34.34,52.62)
(no net):
  vias: v1(3,107) v1(3,3) v1(167,107) v1(167,3)
/A5: length 19.9
  Top w0.25: J20.25 155.39,86.01 v2(155.4,86)
  Bottom w0.25: v2(155.4,86) 155.4,92.8 160.28,97.68 161.74,97.68 J18.A16
/A18: length 108.7
  Top w0.25: v2(160.05,49.9) 157.05,46.9 152.99,46.9 152.25,46.16 152.25,39.95 153,39.2 156.25,39.2 157.05,38.4 157.05,37.45 156.23,36.63 151.22,36.63 148.81,39.04 148.81,41.12 145.81,44.13 141.54,44.13 v2(140.81,43.39) ; J20.75 152.07,66 155.28,66 v2(157.11,67.84) ; v2(131.95,44.65) 130.97,45.63 129.62,45.63 129,46.25 129,47.53 128.47,48.05 119.58,48.05 118.34,46.81 J22.A5
  In2.Cu w0.25: v2(157.11,67.84) 157.25,67.7 157.25,52.2 159.55,49.9 v2(160.05,49.9)
  Bottom w0.25: v2(140.81,43.39) 141.7,44.28 141.7,50.03 141.18,50.55 136.44,50.55 136.19,50.8 132.4,50.8 131.55,49.95 131.55,45.05 v2(131.95,44.65)
/A20: length 109.8
  Top w0.25: v2(126.8,85.6) 125.95,84.75 125.95,82 128.15,79.8 130.4,79.8 132.65,77.55 132.65,61.78 133.89,60.54 v2(134.27,60.54) 134.8,60.02 137.33,60.02 138.38,58.98 157.42,58.98 157.7,59.25 157.7,62.7 159.3,64.3 161.38,64.3 J18.A3 ; U24.13 125.55,92.41 v2(125.6,92.45) ; J19.76 106.62,66 108.89,63.73 115.13,63.73 v2(116.01,62.85)
  Bottom w0.25: v2(134.27,60.54) 133.89,60.54 132.72,61.71 117.15,61.71 v2(116.01,62.85) ; v2(126.8,85.6) 126.8,85.55 126.8,87.25 123.2,90.85 122.25,90.85 121.75,91.35 122.85,92.45 v2(125.6,92.45)
/A21: length 122.3
  Top w0.25: v2(127.9,92.45) 127.01,92.45 125.55,93.91 U24.10 ; v2(121.95,65.05) 121.15,65.85 117.24,65.85 116.9,65.51 115.05,65.51 114.55,66 J19.75
  In1.Cu w0.25: J18.A2 161.25,61.62 153.6,61.62 151.53,63.7 120.23,63.7 120.1,63.58 119.5,63.58 119.05,64.02 119.05,64.58 119.52,65.05 v2(121.95,65.05) ; v2(157.7,69.85) 144.51,69.85 138.05,76.31 138.05,82.27 133.42,86.9 133.42,91.09 131.79,92.73 128.17,92.73 v2(127.9,92.45)
  In2.Cu w0.25: v2(157.7,69.85) 157.7,69.8 158.3,69.2 158.3,63.25 159.65,61.9 161.52,61.9 J18.A2
/A_NCS: length 246.1
  Top w0.25: v2(61.76,8.99) 61.85,8.9 63.67,8.9 ; J21.A1 105.44,36.03 v2(104.86,36.03) ; v2(119.3,106.08) 118.13,107.25 103.63,107.25 98.53,102.15 91.9,102.15 88.7,98.95 88.7,91.8 86.1,89.2 77.31,89.2 74.94,91.58 67.81,91.58 65.59,93.8 v2(62.4,93.8) 62.42,93.83 U1.10 ; 63.73,21.1 62.28,21.1 ; 63.78,69.1 62.33,69.1 ; 63.83,81.1 62.38,81.1 ; J19.15 114.15,90.01 v2(114.15,90.01) ; 63.67,33.1 62.23,33.1 ; 63.78,57.05 62.33,57.05 ; 63.67,45.05 62.23,45.05
  In1.Cu w0.25: v2(114.15,90.01) 114.15,100.4 115.9,102.15 117.9,102.15 119.6,100.45 123.35,100.45 123.35,102.03 v2(119.3,106.08) ; v2(62.4,93.8) 62.4,81.13 v2(62.35,81.08) 62.35,69.13 v2(62.3,69.08) v2(62.3,57.03) 62.3,45.13 v2(62.2,45.03) v2(62.2,33.08) 62.25,33.03 v2(62.25,21.08) 62.2,21.03 62.2,9.43 v2(61.76,8.99)
  Bottom w0.25: v2(104.86,36.03) 104.32,35.49 83.14,35.49 81.67,34.03 81.11,34.03 80.94,34.2 72.73,34.2 71.82,33.29 62.42,33.29 v2(62.2,33.08)
/A_SCK: length 262.9
  Top w0.25: 66.59,36.94 63.73,36.94 ; 66.73,84.89 63.88,84.89 ; 63.67,12.74 66.45,12.74 v2(66.47,12.71) ; v2(87.08,10.15) 88.37,11.45 88.37,25.1 90.84,27.58 96.92,27.58 v2(99.18,29.84) ; 63.92,72.89 67.23,72.89 v2(67.24,72.9) ; J19.16 107.31,90.01 v2(107.34,90.04) ; 66.64,48.89 63.78,48.89 ; v2(66.91,97.58) 66.85,97.64 U1.13 ; 66.79,60.94 63.92,60.94 ; 66.54,24.84 63.67,24.84
  In1.Cu w0.25: 65.3,24.9 65.35,24.85 v2(66.55,24.85) ; 65.3,24.9 65.3,36.9 ; 65.3,24.9 65.3,13.88 v2(66.47,12.71) ; 65.3,72.9 65.3,60.85 ; 65.3,72.9 65.3,84.9 ; 65.3,72.9 v2(67.24,72.9) ; 65.3,60.85 65.4,60.95 v2(66.8,60.95) ; 65.3,60.85 65.3,48.95 ; 65.3,84.9 v2(66.75,84.9) ; 65.3,84.9 65.3,95.98 66.45,97.13 66.45,97.13 v2(66.91,97.58) ; 65.3,48.95 65.35,48.9 v2(66.65,48.9) ; 65.3,48.95 65.3,36.9 ; v2(66.6,36.95) 65.35,36.95 65.3,36.9 ; v2(99.18,29.84) 101.79,29.84 J21.A2
  In2.Cu w0.25: v2(66.47,12.71) 66.93,13.17 68.31,13.17 68.82,12.66 68.82,9.63 68.36,9.17 v2(65.38,9.17)
  Bottom w0.25: v2(65.38,9.17) 65.73,8.82 68.79,8.82 70.02,7.6 70.02,9.98 70.42,10.39 70.98,10.39 74.08,7.29 84.21,7.29 v2(87.08,10.15) ; v2(107.34,90.04) 102.78,90.04 100.27,87.52 100.27,78.75 91.67,70.15 86.41,70.15 75.57,59.31 75.53,59.31 66.65,50.44 v2(66.65,48.9)
/A_SDI: length 252
  Top w0.25: 66.81,70.35 63.92,70.35 ; 66.66,46.35 63.78,46.35 ; 66.76,95.1 U1.11 ; v2(66.44,10.04) 66.29,10.2 63.67,10.2 ; 66.61,34.4 63.73,34.4 ; v2(114.13,89.05) 113.97,89.21 J19.17 ; 66.56,22.3 63.67,22.3 ; 66.76,82.35 63.88,82.35 ; 66.81,58.4 63.92,58.4
  In1.Cu w0.25: v2(66.44,10.04) 69.55,13.15 69.55,22.3 ; 69.55,46.35 69.55,46.36 v2(66.65,46.36) ; 69.55,46.35 69.55,58.4 ; 69.55,46.35 69.55,37.75 ; 69.55,70.35 69.55,58.4 ; 69.55,70.35 69.55,82.35 ; 69.55,70.35 69.55,70.36 v2(66.8,70.36) ; 69.55,58.4 66.8,58.4 v2(66.8,58.41) ; v2(66.55,22.31) 66.55,22.3 69.55,22.3 ; 69.55,82.35 66.75,82.35 v2(66.75,82.36) ; 69.55,82.35 69.55,95.05 69.5,95.11 v2(66.75,95.11) ; v2(71.31,37.76) 71.31,37.75 69.55,37.75 ; J21.A3 111.5,39.05 102.06,39.05 100.31,37.3 v2(98.82,37.3) ; v2(66.59,34.41) 66.6,34.4 69.55,34.4 ; 69.55,37.75 69.55,34.4 ; 69.55,22.3 69.55,34.4
  Bottom w0.25: v2(114.13,89.05) 110.25,85.17 110.56,84.87 110.56,81.54 109.36,80.34 109.36,78.44 109.45,78.35 109.45,77.33 109.75,77.33 110.58,76.49 110.58,73.58 109.88,72.88 109.88,72.68 109.15,71.95 109.02,71.95 104.31,67.25 100.22,67.25 92.66,59.68 88.88,59.68 79.42,50.23 79.42,48.1 77.68,46.36 v2(66.65,46.36) ; v2(98.82,37.3) 98.53,37 94.3,37 94.02,37.28 79.72,37.28 77.97,39.04 72.59,39.04 v2(71.31,37.76)
/A_SDO1: length 128.2
  Top w0.25: J19.18 105.15,89.21 104,90.36 v2(104,91.43) ; v2(67.08,96.4) 67.05,96.37 U1.12 ; J21.A4 116.4,39.37 116.4,41.74 114.01,44.13 110.69,44.13 110.26,43.7 105.7,43.7 104.38,45.02 104.38,50.82 103.6,51.6 103.6,57.05 95.3,65.36 94.31,65.36 93.84,65.83 93.84,65.85 92,67.69 v2(85.33,67.69)
  In1.Cu w0.25: v2(85.33,67.69) 85.33,67.69 85.33,79.41 82.32,82.42 v2(82.32,93.49) 82.32,93.53 79.45,96.4 v2(67.08,96.4)
  Bottom w0.25: v2(104,91.43) 104,92.19 102.15,94.04 94.83,94.04 92.37,91.59 84.23,91.59 v2(82.32,93.49)
